# Altium PCB EBAZ4205.PcbDoc (part 1 of 6) (continued)
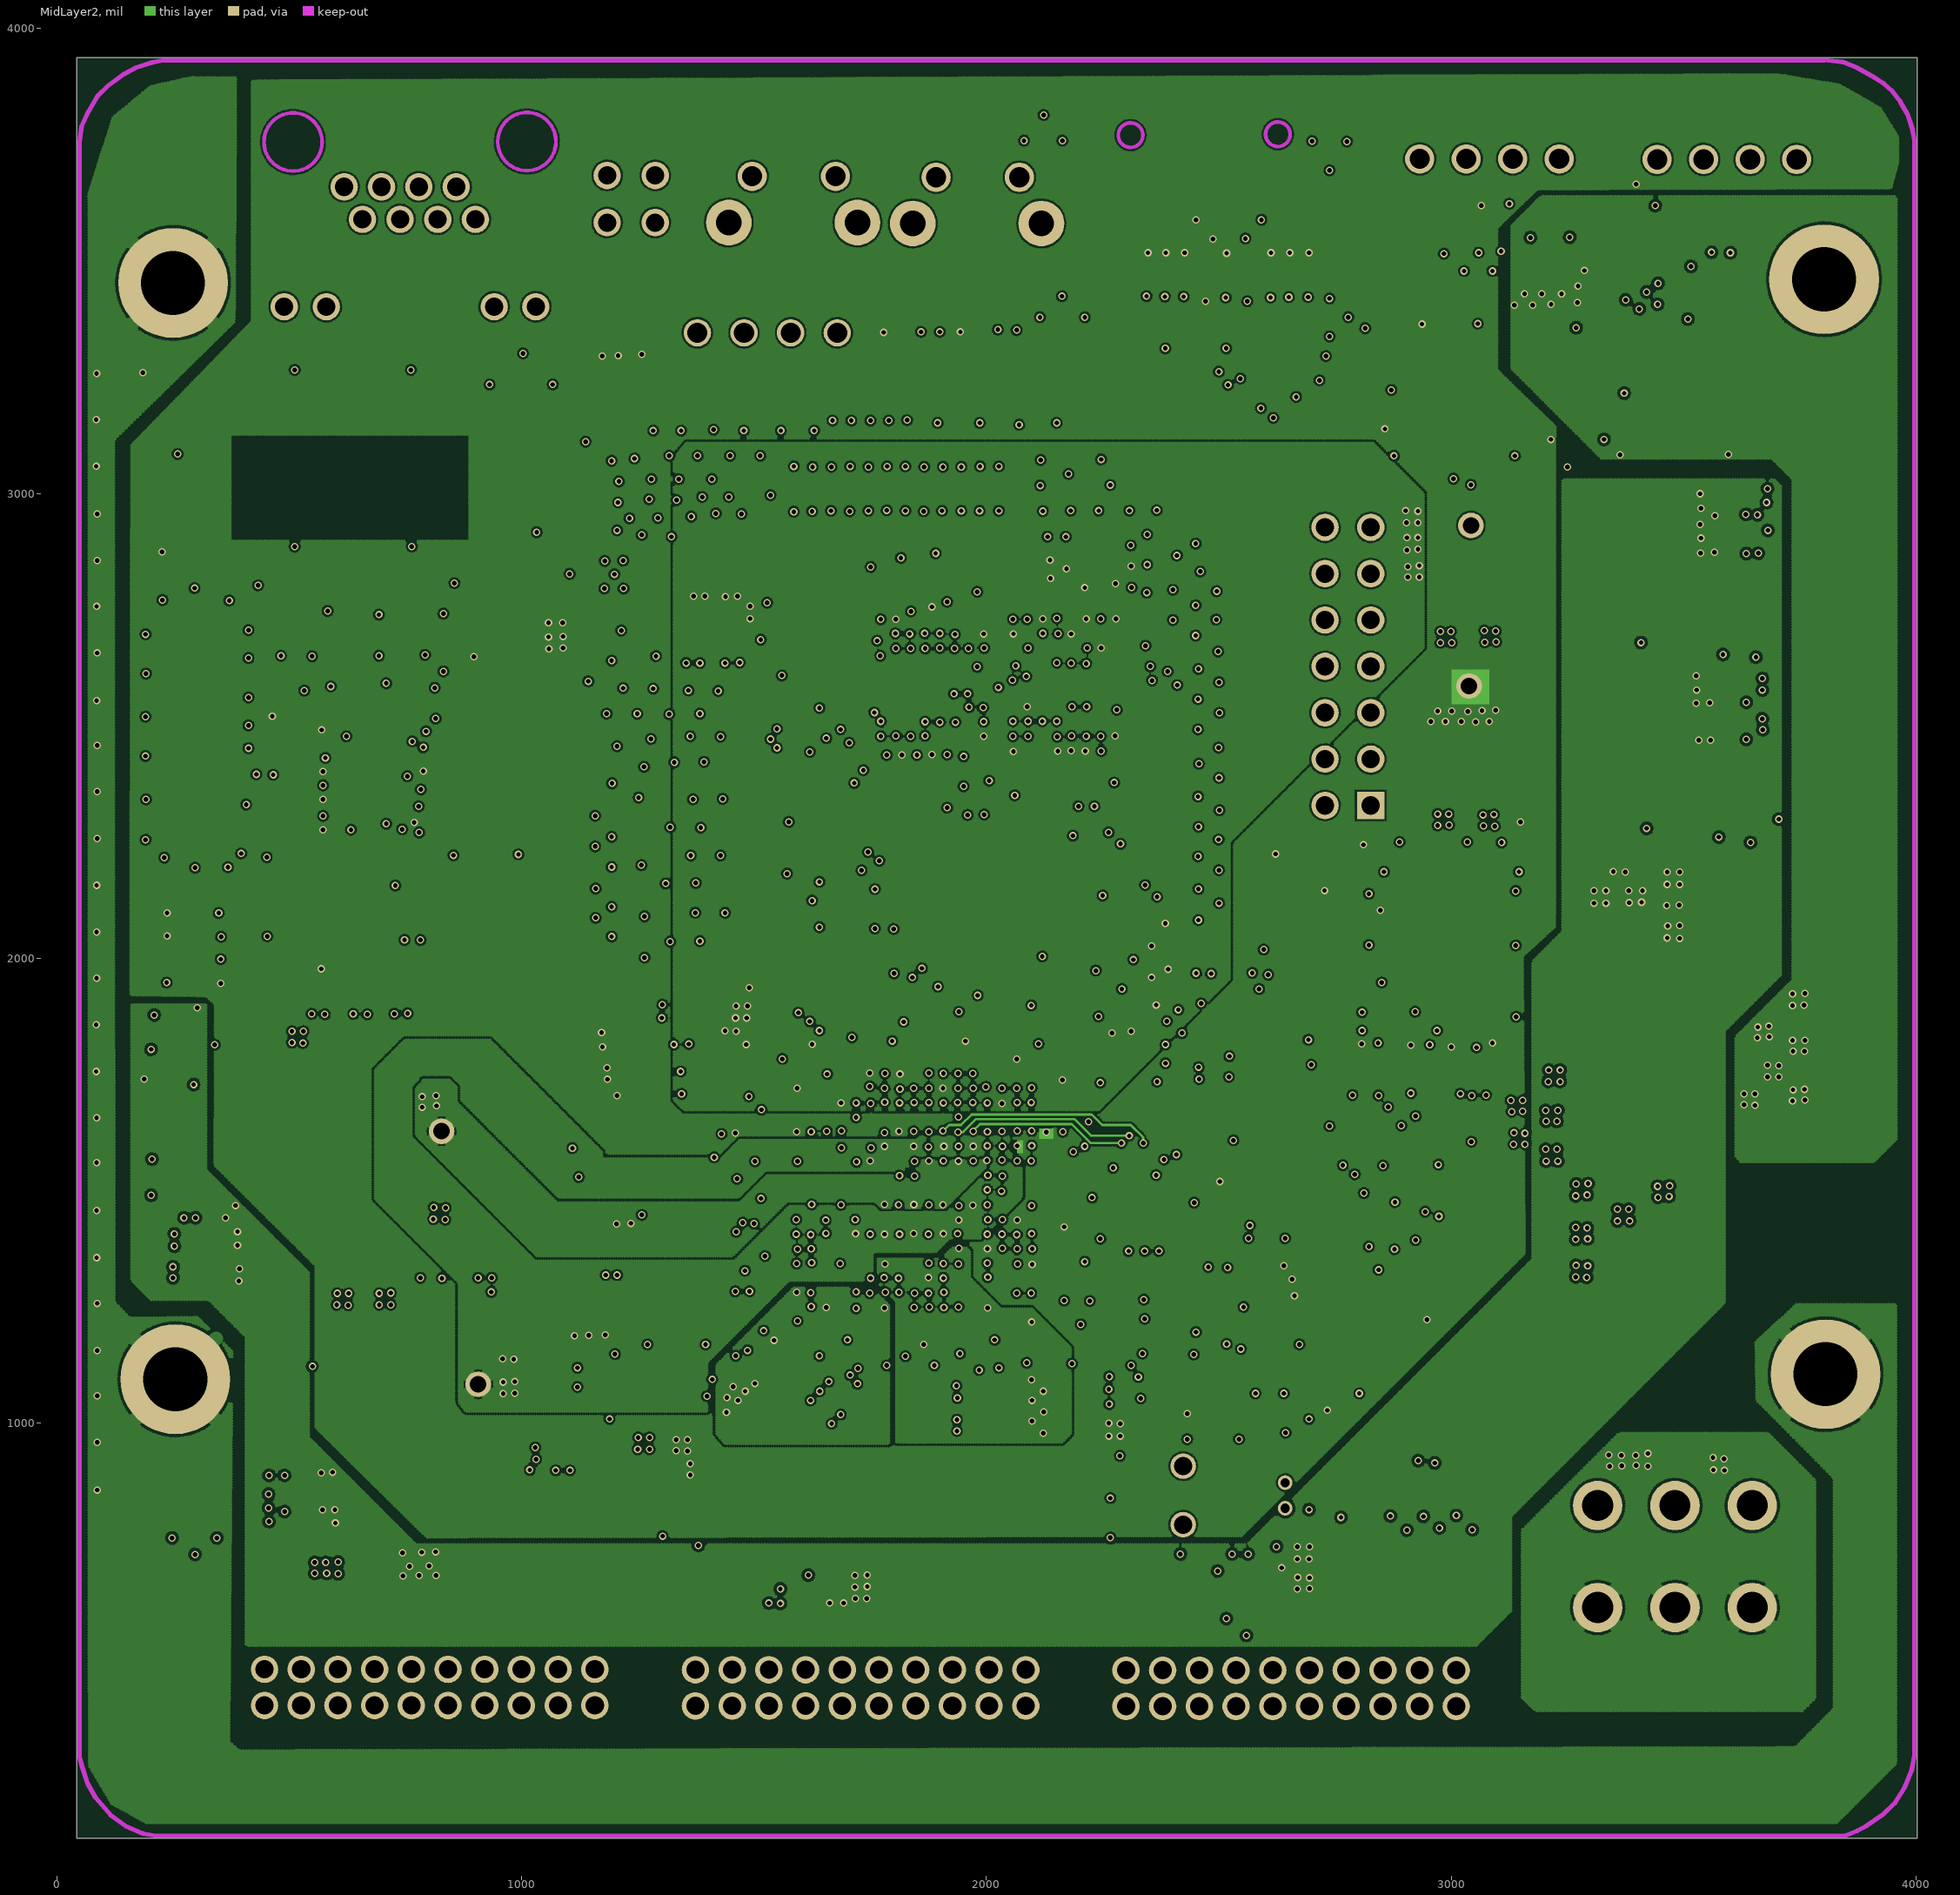
[diagram p3: MidLayer2]

## Layer stack, top to bottom
Top Solder: solder mask 0.4, Solder Resist, Dk 3.5
Top Layer: signal copper 1.4
Dielectric1: core 12.6, FR-4, Dk 4.8
MidLayer1: signal copper 1.4
Dielectric2: prepreg 12.6, FR-4, Dk 4.8
MidLayer2: signal copper 1.4
Dielectric3: core 12.6, FR-4, Dk 4.8
Bottom Layer: signal copper 1.4
Bottom Solder: solder mask 0.4, Solder Resist, Dk 3.5

## Board outline
43.23,107.2 4002.05,107.2 4002.05,3937.09 43.23,3937.09

## Design rules (kind name [scope] priority, off if disabled: settings)
Clearance [All] p1 off: gap=4 ignorepadtopadclearanceinfootprint=FALSE
Clearance Clearance_1 [All] p2: gap=3.5 ignorepadtopadclearanceinfootprint=FALSE
FabricationTestpoint [All] p1 off: side=3 testpointundercomponent=TRUE minsize=40 maxsize=100 preferedsize=60 minholesize=0 maxholesize=40 preferedholesize=32 testpointgrid=1 allowsidetop=TRUE allowsidebottom=TRUE usegrid=TRUE gridtolerance=0.01
PolygonConnect [All] p1: connectstyle=Relief reliefconductorwidth=30 reliefentries=4 polygonreliefangle="45 Angle" airgapwidth=10
RoutingLayers [All] p1: top layer_v5=FALSE mid layer 1_v5=FALSE mid layer 2_v5=FALSE bottom layer_v5=FALSE
RoutingVias [All] p1: holewidth=28 width=50 viastyle="Through Hole" minholewidth=1 minwidth=2 maxholewidth=500 maxwidth=500
SolderMaskExpansion [All] p1: expansion=4
Width [All] p1: maxlimit=1000 minlimit=1 preferedwidth=10
28 further rules are at their usual default settings.

## Components (designator, comment, footprint, x,y, rotation, side; value= is the part's Value field where it differs from the comment)
C68 "NC" 3 2363.19,1092.52 r0 bottom
C69 "NC" 3 2538.39,1039.37 r270 top
C71 "NC" 3 2410.43,1147.64 r270 bottom
C73 "1UF" 3 1899.61,3375.98 r0 top
C82 "10UF" 2 781.5,1818.9 r270 bottom
C93 "NC" 2 2556.1,3589.57 r180 bottom
C94 "NC" 3 2536.42,3387.79 r270 bottom
C147 "10NF" 3 1966.54,1372.05 r0 bottom
C289 "22UF" 9 3073.82,2350.39 r90 top
C290 "22UF" 9 2983.27,2349.41 r90 top
C291 "10UF" 2 3562.99,2508.86 r0 top
C292 "10UF" 2 3563.98,2589.57 r0 top
C293 "100NF" 6 3631.89,2512.8 r180 bottom
C294 "NC" 2 3643.7,2300.2 r180 bottom
C295 "100NF" 6 3669.29,2307.09 r90 top
C304 "100NF" 3 3600.39,3549.21 r180 bottom
C305 "100NF" 3 3358.27,3549.21 r180 bottom
C306 "10UF" 2 3306.1,1860.24 r270 bottom
C307 "10UF" 2 711.61,625 r180 bottom
C308 "10UF" 2 1682.09,571.85 r180 bottom
C309 "10UF" 2 3429.13,1861.22 r270 bottom
C310 "10UF" 2 2628.94,592.52 r180 bottom
C319 "100NF" 6 706.69,690.94 r180 bottom
C320 "100NF" 6 3492.13,1854.33 r270 bottom
C321 "100NF" 6 3370.08,1853.35 r270 bottom
C322 "100NF" 6 2619.09,652.56 r180 bottom
C323 "100NF" 6 1674.21,642.72 r180 bottom
C325 "1NF" 9 297.24,752.95 r90 top
C327 "100NF" 3 1908.46,1536.42 r270 bottom
C333 "100NF" 3 3144.69,3549.21 r180 bottom
C334 "100NF" 3 2985.24,3548.23 r180 bottom
C362 "NC" 3 1193,1078.06 r0 top
C363 "NC" 3 1199.8,1090.55 r0 bottom
C364 "NC" 3 1153.74,1080.28 r0 top
C366 "NC" 3 582.68,2677.17 r0 top
C367 "100NF" 3 571.85,2541.34 r270 bottom
C368 "100NF" 3 607.28,2454.72 r270 bottom
C369 "100NF" 3 526.57,2417.32 r180 bottom
C370 "100NF" 3 527.56,2341.54 r180 bottom
C371 "NC" 2 659.45,2467.52 r0 bottom
C372 "NC" 3 692.91,2677.17 r0 top
C373 "100NF" 3 763.78,2846.46 r0 bottom
C374 "100NF" 3 529.53,2266.73 r180 bottom
C375 "100NF" 3 512.8,2841.54 r0 bottom
C376 "100NF" 3 464.57,2418.31 r270 bottom
C377 "22PF" 3 432.09,2258.86 r0 top
C379 "NC" 2 709.65,2389.76 r270 bottom
C379A "100NF" 3 854.33,2292.32 r270 bottom
C380 "22PF" 3 432.09,2332.68 r0 top
C382 "100NF" 3 708.66,2266.73 r270 bottom
C383 "22UF" 9 791.34,1161.42 r90 top
C384 "10UF" 2 487.2,804.13 r0 top
C385 "22UF" 9 883.86,1160.43 r90 top
C386 "NC" 2 528.54,1169.29 r90 top
C386A "100NF" 6 452.76,1031.5 r90 top
C387 "100NF" 6 556.1,879.92 r180 bottom
C389 "10UF" 2 490.16,881.89 r0 top
C390 "22UF" 9 2987.2,2742.13 r90 top
C391 "10UF" 2 3573.82,2913.39 r0 top
C392 "22UF" 9 3077.76,2741.14 r90 top
C393 "100NF" 6 3679.13,2709.65 r90 top
C394 "100NF" 6 3641.73,2917.32 r180 bottom
C395 "NC" 2 3654.53,2699.8 r180 bottom
C396 "10UF" 2 3572.83,2993.11 r0 top
C397 "22UF" 9 693.9,1720.47 r90 top
C398 "10UF" 2 283.46,1323.82 r0 top
C399 "22UF" 9 603.35,1720.47 r90 top
C400 "100NF" 6 241.14,1611.22 r90 top
C401 "100NF" 6 284.45,1473.42 r0 top
C402 "NC" 2 338.58,1857.28 r0 top
C403 "10UF" 2 280.51,1403.54 r0 top
C538 "NC" 3 2399.61,1092.52 r0 bottom
C625 "10UF" 2 318.9,1490.16 r180 bottom
C626 "10UF" 2 396.65,1853.35 r0 bottom
C628 "NC" 2 257.87,1809.05 r90 top
C659 "100NF" 3 971.46,3262.79 r0 top
C660 "100NF" 3 1027.56,3261.81 r0 top
C661 "100NF" 6 3060.04,3423.23 r90 bottom
C662 "100NF" 6 3381.89,3451.77 r180 bottom
C663 "33UF" 2 1224.41,1592.52 r180 bottom
C664 "100NF" 3 1714.57,1485.24 r180 bottom
C665 "51UF" 9 1181.1,1875.98 r90 bottom
C666 "3.9UF" 6 1287.4,1748.03 r180 bottom
C667 "470NF" 3 1473.43,1572.83 r270 bottom
C668 "470NF" 3 1563.98,1562.01 r270 bottom
C669 "51UF" 9 2606.3,1154.53 r90 bottom
C670 "3.9UF" 6 2604.33,1340.55 r90 top
C671 "470NF" 3 2236.22,1458.66 r270 bottom
C672 "470NF" 3 1271.65,1702.76 r270 bottom
C673 "3.9UF" 6 2605.32,1340.55 r90 bottom
C674 "470NF" 3 2166.34,1347.44 r270 bottom
C845 "NC" 2 1269.69,835.63 r0 bottom
C846 "NC" 6 1267.72,891.73 r0 bottom
C856 "NC" 6 1150.59,997.05 r180 bottom
C856A "NC" 2 1150.59,937.01 r180 bottom
C1887 "100NF" 3 279.53,2046.26 r90 bottom
C1985 "100NF" 3 1459.65,1774.61 r180 bottom
C1987 "100NF" 3 1459.65,1702.76 r180 bottom
C2250 "470NF" 3 2156.5,2537.4 r270 bottom
C2269 "3.9UF" 6 2382.87,1935.04 r0 top
C2280 "10NF" 3 1621.06,1691.93 r180 bottom
C2285 "100PF" 3 3209.65,2145.67 r180 bottom
C2287 "100PF" 3 3175.2,2146.65 r180 bottom
C2288 "51UF" 9 1326.77,1955.71 r0 top
C2291 "470NF" 3 2220.47,1748.03 r270 bottom
C2292 "3.9UF" 6 2274.61,2843.5 r90 bottom
C2293 "470NF" 3 2086.61,1783.46 r180 bottom
C2294 "51UF" 9 2391.73,2026.57 r0 top
C2295 "3.9UF" 6 1352.36,1882.87 r0 top
C2296 "470NF" 3 1563.98,1697.83 r180 bottom
C2297 "470NF" 3 2255.91,1774.61 r180 bottom
C2298 "470NF" 3 1655.51,1692.91 r180 bottom
C2299 "470NF" 3 1655.51,1776.57 r270 bottom
C2300 "100PF" 3 2085.63,2562.01 r270 bottom
C2302 "100PF" 3 2004.92,2602.36 r180 bottom
C2303 "100NF" 3 2295.28,1774.61 r180 bottom
C2304 "100NF" 3 2291.34,1698.82 r180 bottom
C2305 "51UF" 9 1633.86,902.56 r180 bottom
C2306 "3.9UF" 6 1594.49,1039.37 r180 bottom
C2307 "470NF" 3 1564.96,1182.09 r180 bottom
C2308 "470NF" 3 1689.96,1223.42 r270 bottom
C2309 "3.9UF" 6 1666.34,1179.13 r180 bottom
C2310 "470NF" 3 1564.96,1145.67 r270 bottom
C2312 "3.9UF" 6 1594.49,1083.66 r180 bottom
C2313 "470NF" 3 1569.88,1266.73 r270 bottom
C2314 "470NF" 3 1775.59,1217.52 r0 bottom
C2315 "51UF" 9 2070.87,933.07 r180 bottom
C2316 "3.9UF" 6 2062.99,1073.82 r180 bottom
C2317 "470NF" 3 1840.55,1217.52 r0 bottom
C2318 "470NF" 3 1764.76,1348.42 r270 bottom
C2319 "3.9UF" 6 2223.43,1040.35 r180 bottom
C2320 "470NF" 3 1846.46,1347.44 r270 bottom
C2321 "3.9UF" 6 2223.43,1089.57 r180 bottom
C2322 "470NF" 3 2020.67,1217.52 r270 bottom
C2323 "470NF" 3 2167.32,1212.6 r270 bottom
C2324 "3.9UF" 6 957.68,1174.21 r90 bottom
C2325 "3.9UF" 6 1190.95,1221.46 r90 bottom
C2326 "470NF" 3 1775.59,1383.86 r270 bottom
C2327 "470NF" 3 1845.47,1382.87 r270 bottom
C2328 "3.9UF" 6 1002.95,936.02 r90 bottom
C2329 "470NF" 3 1282.48,1256.89 r0 bottom
C2330 "3.9UF" 6 1004.92,1174.21 r90 bottom
C2331 "3.9UF" 6 1237.2,1221.46 r90 bottom
C2332 "470NF" 3 1311.02,1256.89 r0 bottom
C2333 "470NF" 3 1347.44,1256.89 r0 bottom
C2334 "470NF" 3 1700.79,1377.95 r180 bottom
C2335 "470NF" 3 1914.37,1432.09 r270 bottom
C2336 "51UF" 9 858.27,886.81 r90 bottom
C2337 "51UF" 9 696.85,1714.57 r90 bottom
C2338 "3.9UF" 6 757.87,1559.06 r270 bottom
C2339 "470NF" 3 1775.59,1433.07 r270 bottom
C2340 "470NF" 3 1364.17,1325.79 r180 bottom
C2341 "3.9UF" 6 1236.22,1334.65 r90 bottom
C2342 "470NF" 3 1846.46,1432.09 r270 bottom
C2343 "33UF" 2 1283.46,1812.99 r180 bottom
C2344 "33UF" 2 778.54,1755.91 r90 top
C2345 "51UF" 9 887.8,1158.46 r90 bottom
C2346 "470NF" 3 1916.34,1381.89 r270 bottom
C2347 "470NF" 3 1812.99,1557.09 r180 bottom
C2349 "10UF" 2 1420.28,1339.57 r90 bottom
C2349A "33UF" 2 963.58,1181.1 r90 top
C2350 "RES1" 3 1977.36,1535.43 r270 bottom
C2351 "51UF" 9 606.3,1714.57 r90 bottom
C2352 "3.9UF" 6 710.63,1559.06 r270 bottom
C2353 "470NF" 3 1327.76,1325.79 r180 bottom
C2354 "470NF" 3 1905.51,1489.17 r270 bottom
C2355 "3.9UF" 6 806.1,1559.06 r270 bottom
C2356 "470NF" 3 1293.31,1325.79 r180 bottom
C2357 "51UF" 9 940.95,886.81 r90 bottom
C2358 "51UF" 9 796.26,1155.51 r90 bottom
C2359 "470NF" 3 1419.29,1256.89 r0 bottom
C2360 "470NF" 3 1491.14,1256.89 r0 bottom
C2361 "470NF" 3 1455.71,1256.89 r0 bottom
C2362 "3.9UF" 6 1147.64,1221.46 r90 bottom
C2363 "470NF" 3 1384.84,1256.89 r0 bottom
C2365 "33UF" 2 1606.3,977.36 r180 bottom
C2366 "33UF" 2 2066.93,1009.84 r180 bottom
C2367 "10NF" 3 2197.83,2390.75 r0 bottom
C2368 "10NF" 3 2005.91,2447.83 r0 bottom
C2369 "10NF" 3 2135.83,2757.87 r270 bottom
C2370 "10UF" 2 2211.61,2837.6 r90 bottom
C2371 "10NF" 3 2207.68,2757.87 r270 bottom
C2372 "10NF" 3 2161.42,2390.75 r0 bottom
C2373 "10NF" 3 2311.02,2673.23 r270 bottom
C2374 "10NF" 3 1820.87,2407.48 r270 bottom
C2375 "10NF" 3 1889.76,2407.48 r270 bottom
C2376 "10NF" 3 1891.73,2803.15 r180 bottom
C2377 "10NF" 3 2346.46,2758.86 r270 bottom
C2378 "10NF" 3 2061.02,2416.34 r0 bottom
C2379 "10NF" 3 2231.3,2390.75 r0 bottom
C2381 "10NF" 3 2276.58,2757.87 r270 bottom
C2382 "10NF" 3 1811.02,2799.21 r180 bottom
C2383 "100NF" 3 2105.32,2857.28 r270 bottom
C2384 "100NF" 3 2106.3,2891.73 r270 bottom
C2385 "1NF" 44 3609.25,1399.61 r180 bottom
C2394 "100NF" 3 1136.81,2722.44 r270 top
C2395 "NC" 2 1381.89,2843.5 r90 top
C2396 "NC" 2 1375,2674.21 r90 top
C2397 "NC" 2 1449.8,2674.21 r90 top
C2398 "3.9UF" 6 1129.92,2678.15 r0 top
C2399 "NC" 3 1324.8,2723.42 r180 top
C2400 "NC" 3 1032.48,2888.78 r270 top
C2401 "NC" 2 1457.68,2843.5 r90 top
C2402 "NC" 6 1937.99,3098.42 r180 bottom
C2403 "NC" 6 1621.06,3096.46 r180 bottom
C2404 "NC" 6 1534.45,3032.48 r180 bottom
C2405 "NC" 3 1750.98,3086.61 r180 bottom
C2406 "NC" 3 1670.28,3086.61 r180 bottom
C2407 "NC" 3 1711.61,3086.61 r180 bottom
C2408 "NC" 3 1791.34,3086.61 r180 bottom
C2409 "NC" 3 1830.71,3087.6 r180 bottom
C2410 "1UF" 1 2024.61,3376.97 r90 top
D21 "SS810" 42 3092.52,667.32 r180 bottom
D22 "SS810" 42 2160.43,679.13 r180 bottom
D23 "SS810" 42 1209.65,666.34 r180 bottom
D24 "NC" 42 3695.87,2023.62 r180 bottom
DATA1 "2*10PIN-2.0MM" 37 3010.83,468.5 r0 top
DATA2 "2*10PIN-2.0MM" 37 2084.65,469.49 r0 top
DATA3 "2*10PIN-2.0MM" 37 1157.48,470.47 r0 top
EC2 "470UF/16V" 24 3677.17,1588.58 r0 top
EC5 "100UF/16V" 29 3192.91,3495.08 r0 top
EC6 "470UF/16V" 24 3686.02,2000 r0 top
FB10 "1.2UH" 40 1350.39,1407.48 r90 bottom
FB14 "1.2UH" 40 1209.65,967.52 r180 bottom
FB15 "1.2UH" 40 2228.35,991.14 r90 bottom
FB16 "1.2UH" 40 1460.63,938.98 r90 bottom
J3 "4PIN-2.54MM" 31 3442.91,3718.5 r0 top
J4 "2*3PIN-4.2MM" 38 3647.64,603.35 r0 top
J5 "4PIN-2.54MM" 31 2932.09,3719.49 r0 top
J7 "NC" 33 1679.13,3345.47 r0 top
J8 "NC" 36 2826.77,2328.74 r0 top
L7 "4.7UH" 21 3216.54,2481.3 r0 top
L9 "0.33UH" 39 3305.12,3591.54 r180 bottom
L11 "0.33UH" 39 2923.23,3591.54 r180 bottom
L29 "NC" 40 1154.53,1114.17 r180 bottom
L30 "NC" 39 627.95,2395.67 r180 bottom
L31 "4.7UH" 21 735.24,918.31 r0 top
L32 "4.7UH" 21 3218.5,2878.94 r0 top
L33 "4.7UH" 21 525.59,1500 r0 top
L36 "0.33UH" 39 3397.64,1501.97 r0 bottom
L37 "4.7UH" 21 3456.69,1049.21 r90 top
L113 "1.2UH" 40 3191.93,2292.32 r180 bottom
LED1 "G" 8 1304.13,1765.75 r0 top
LED4 "G" 8 260.83,3031.5 r0 top
LED6 "R+G" 34 1287.4,3582.68 r0 top
R36 "4.7K 1%" 1 2596.46,2185.04 r90 top
R37 "22R 1%" 1 2687.01,2110.24 r90 top
R38 "4.7K 1%" 1 2767.72,2185.04 r90 top
R45 "150R 1%" 1 1173.23,3327.76 r90 top
R46 "150R 1%" 1 1207.68,3327.76 r90 top
R47 "150R 1%" 1 259.84,2873.03 r90 top
R117 "NC" 1 2547.24,1092.52 r90 bottom
R120 "NC" 1 2477.36,1191.93 r90 bottom
R120A "10K 1%" 1 1859.25,3376.97 r90 top
R122 "NC" 1 2516.73,1192.91 r90 bottom
R160 "NC" 1 2653.54,3448.82 r90 bottom
R161 "NC" 1 2612.2,3449.8 r90 bottom
R162 "NC" 1 2516.73,3449.8 r90 bottom
R163 "NC" 1 2426.18,3449.8 r90 bottom
R164 "NC" 1 2385.83,3449.8 r90 bottom
R165 "NC" 1 2346.46,3449.8 r90 bottom
R166 "10K 1%" 1 2692.91,3449.8 r90 bottom
R167 "0R 1%" 1 2691.93,3243.11 r90 top
R244 "NC" 1 3044.29,829.72 r90 top
R245 "NC" 1 3009.84,829.72 r90 top
R246 "0R 1%" 1 2974.41,829.72 r90 top
R247 "NC" 1 2938.98,829.72 r90 top
R248 "NC" 1 2762.8,829.72 r90 top
R277 "NC" 1 1155.51,1044.29 r0 top
R1279 "NC" 1 2432.09,1053.15 r90 bottom
R1333 "51K 5%" 7 3232.28,2278.54 r0 top
R1336 "11.3K 1%" 1 3343.5,2279.53 r0 top
R1344 "10K 1%" 1 3398.62,3549.21 r90 bottom
R1345 "33R 1%" 1 3479.33,3549.21 r90 bottom
R1346 "33R 1%" 1 3519.69,3548.23 r90 bottom
R1347 "NC" 1 3560.04,3550.2 r90 bottom
R1348 "NC" 1 3438.98,3549.21 r90 bottom
R1358 "4.7K 1%" 1 3124.02,1744.09 r90 bottom
R1359 "4.7K 1%" 1 3018.7,1744.09 r90 bottom
R1360 "4.7K 1%" 1 2772.64,1744.09 r90 bottom
R1361 "10K 1%" 1 3064.96,3549.21 r90 bottom
R1362 "33R 1%" 1 3023.62,3549.21 r90 bottom
R1363 "33R 1%" 1 3232.28,3549.21 r90 bottom
R1364 "NC" 1 3191.93,3550.2 r90 bottom
R1365 "NC" 1 3103.35,3548.23 r90 bottom
R1372 "NC" 1 1400.59,1125 r0 top
R1373 "33R 1%" 1 325.79,1377.95 r90 bottom
R1379 "33R 1%" 1 1257.87,3326.77 r90 top
R1381 "5.1K 1%" 1 853.35,2326.77 r180 bottom
R1383 "5.1K 1%" 1 852.36,2255.91 r180 bottom
R1384 "75R 1%" 1 763.78,3202.76 r90 bottom
R1385 "22R 1%" 1 993.11,2068.9 r90 top
R1386 "5.1K 1%" 1 783.46,2069.88 r90 top
R1388 "NC" 1 482.28,2677.17 r90 top
R1389 "330R 1%" 1 931.1,3262.79 r90 top
R1390 "5.1K 1%" 1 713.58,2069.88 r90 top
R1391 "22R 1%" 1 958.66,2069.88 r90 top
R1392 "5.1K 1%" 1 748.03,2068.9 r90 top
R1393 "6.2K 1%" 1 831.69,2678.15 r90 top
R1394 "22R 1%" 1 923.23,2068.9 r90 top
R1396 "5.1K 1%" 1 844.49,2477.36 r90 bottom
R1397 "22R 1%" 1 887.8,2068.9 r90 top
R1400 "75R 1%" 1 511.81,3202.76 r90 bottom
R1401 "33R 1%" 1 492.13,2086.61 r270 bottom
R1404 "75R 1%" 1 662.4,3202.76 r90 bottom
R1405 "22R 1%" 1 853.35,2068.9 r90 top
R1406 "NC" 1 733.27,2677.17 r90 top
R1407 "75R 1%" 1 612.2,3202.76 r90 bottom
R1408 "5.1K 1%" 1 845.47,2402.56 r90 bottom
R1409 "NC" 1 795.28,2678.15 r90 top
R1410 "22R 1%" 1 818.9,2068.9 r90 top
R1411 "NC" 1 543.31,2677.17 r90 top
R1412 "330R 1%" 1 1067.91,3261.81 r90 top
R1413 "10K 1%" 1 548.23,1051.18 r90 bottom
R1414 "6.81K 1%" 7 637.8,1158.46 r0 top
R1415 "10K 1%" 1 588.58,1159.45 r90 top
R1417 "15K 1%" 7 3217.52,2678.15 r0 top
R1418 "10K 1%" 1 3328.74,2680.12 r0 top
R1420 "4.02K 1%" 7 466.54,1750 r0 top
R1421 "2K 1%" 1 402.56,1750.98 r90 top
R1481 "33R 1%" 1 1415.35,696.85 r90 bottom
R1482 "3K 5%" 7 1677.17,786.42 r270 bottom
R1483 "1.2K 5%" 7 1615.16,786.42 r270 bottom
R1485 "NC" 1 433.07,2291.34 r90 bottom
R1487 "22R 1%" 1 2062.01,794.29 r90 top
R1488 "22R 1%" 1 2102.36,794.29 r90 top
R1491 "22R 1%" 1 1500.98,794.29 r90 top
R1492 "22R 1%" 1 1541.34,798.23 r90 top
R1493 "NC" 1 1975.39,1493.11 r180 bottom
R1494 "0R 1%" 1 1314.96,1522.64 r180 bottom
R1495 "0R 1%" 1 1314.96,1571.85 r180 bottom
R1496 "0R 1%" 1 1314.96,1622.05 r180 bottom
R1497 "NC" 1 1389.76,1571.85 r180 bottom
R1498 "NC" 1 1388.78,1622.05 r180 bottom
R1499 "NC" 1 1389.76,1522.64 r180 bottom
R1500 "330R 1%" 1 1344.49,1615.16 r90 top
R1501 "330R 1%" 1 1304.13,1615.16 r90 top
R1502 "4.7K 1%" 1 1830.71,1647.64 r180 bottom
R1503 "4.7K 1%" 1 1384.84,1615.16 r90 top
R1504 "22R 1%" 1 2767.72,2105.31 r90 top
R1505 "22R 1%" 1 2642.72,2110.24 r90 top
R1506 "22R 1%" 1 2596.46,2110.24 r90 top
R1507 "4.7K 1%" 1 2687.99,2185.04 r90 top
R1948 "100K 1%" 1 317.91,1945.87 r180 bottom
R1949 "NC" 1 317.91,1987.2 r180 bottom
R1950 "10K 1%" 1 532.48,1977.36 r180 bottom
R1995 "10K 1%" 1 462.6,2455.71 r90 bottom
R2159 "1.2K 1%" 1 1421.26,1773.62 r90 bottom
R2161 "1.2K 1%" 1 1420.28,1702.76 r90 bottom
R2336 "10K 1%" 1 318.9,2097.44 r180 bottom
R2340 "NC" 1 3024.61,1871.06 r0 top
R2350 "10K 1%" 1 3362.2,3116.14 r0 bottom
R2389 "NC" 1 2887.8,2184.05 r90 bottom
R2391 "NC" 1 2888.78,2104.33 r90 bottom
R2392 "33R 1%" 1 532.48,2011.81 r180 bottom
R2430 "100K 1%" 1 2432.09,1517.72 r0 top
R2432 "100K 1%" 1 2156.5,1482.28 r270 bottom
R2433 "100K 1%" 1 2121.06,1482.28 r270 bottom
R2434 "NC" 1 2411.42,1483.27 r180 bottom
R2435 "NC" 1 2311.02,1258.86 r180 bottom
R2436 "22R 1%" 1 2276.58,1345.47 r0 top
R2437 "22R 1%" 1 2312.01,1222.44 r180 bottom
R2438 "NC" 1 2476.38,1262.8 r90 bottom
R2439 "NC" 1 2516.73,1263.78 r90 bottom
R2440 "NC" 1 2511.81,1092.52 r180 bottom
R2441 "NC" 1 2337.6,1440.94 r180 bottom
R2442 "NC" 1 2335.63,1483.27 r180 bottom
R2443 "NC" 1 2410.43,1437.99 r180 bottom
R2444 "NC" 1 2271.65,1188.98 r0 top
R2445 "NC" 1 2287.4,1464.57 r0 top
R2445B "NC" 1 2276.58,1310.04 r0 top
R2446 "NC" 1 2376.97,1423.23 r0 top
R2447 "NC" 1 2287.4,1510.83 r0 top
R2455 "240R 1%" 1 1925.2,2368.11 r90 bottom
R2456 "80.5R 1%" 1 1914.37,1657.48 r180 bottom
R2457 "80.5R 1%" 1 2171.26,1707.68 r180 bottom
R2458 "1.2K 1%" 1 2335.63,1775.59 r90 bottom
R2459 "1.2K 1%" 1 2332.68,1698.82 r90 bottom
R2460 "0R 5%" 7 1221.46,1527.56 r180 bottom
R2461 "22R 1%" 1 1324.8,1310.04 r0 top
R2462 "22R 1%" 1 1240.16,1230.31 r0 top
R2463 "22R 1%" 1 1240.16,1310.04 r0 top
R2464 "22R 1%" 1 1324.8,1269.68 r0 top
R2465 "22R 1%" 1 1240.16,1269.68 r0 top
R2466 "22R 1%" 1 1324.8,1229.33 r0 top
R2468 "NC" 7 1150.59,821.85 r180 bottom
R2469 "4.7K 1%" 1 897.64,2617.13 r180 bottom
R2470 "4.7K 1%" 1 897.64,2576.77 r180 bottom
R2471 "0R 5%" 7 1150.59,867.13 r180 bottom
R2472 "22R 1%" 1 1983.27,894.68 r90 top
R2473 "22R 1%" 1 2023.62,894.68 r90 top
R2473A "22R 1%" 1 2103.35,894.68 r90 top
R2474 "22R 1%" 1 2062.99,894.68 r90 top
R2476 "22R 1%" 1 2142.72,894.68 r90 top
R2477 "22R 1%" 1 2142.72,794.29 r90 top
R2478 "22R 1%" 1 2182.09,794.29 r90 top
R2479 "22R 1%" 1 2222.44,794.29 r90 top
R2480 "22R 1%" 1 2021.65,794.29 r90 top
R2481 "22R 1%" 1 1982.28,794.29 r90 top
R2482 "22R 1%" 1 2182.09,894.68 r90 top
R2483 "22R 1%" 1 2222.44,894.68 r90 top
R2484 "22R 1%" 1 1941.93,794.29 r90 top
R2485 "22R 1%" 1 1901.58,794.29 r90 top